# Altium PCB uz_per_wolfspeed_25kw_FM3.PcbDoc (part 1 of 2) (continued)
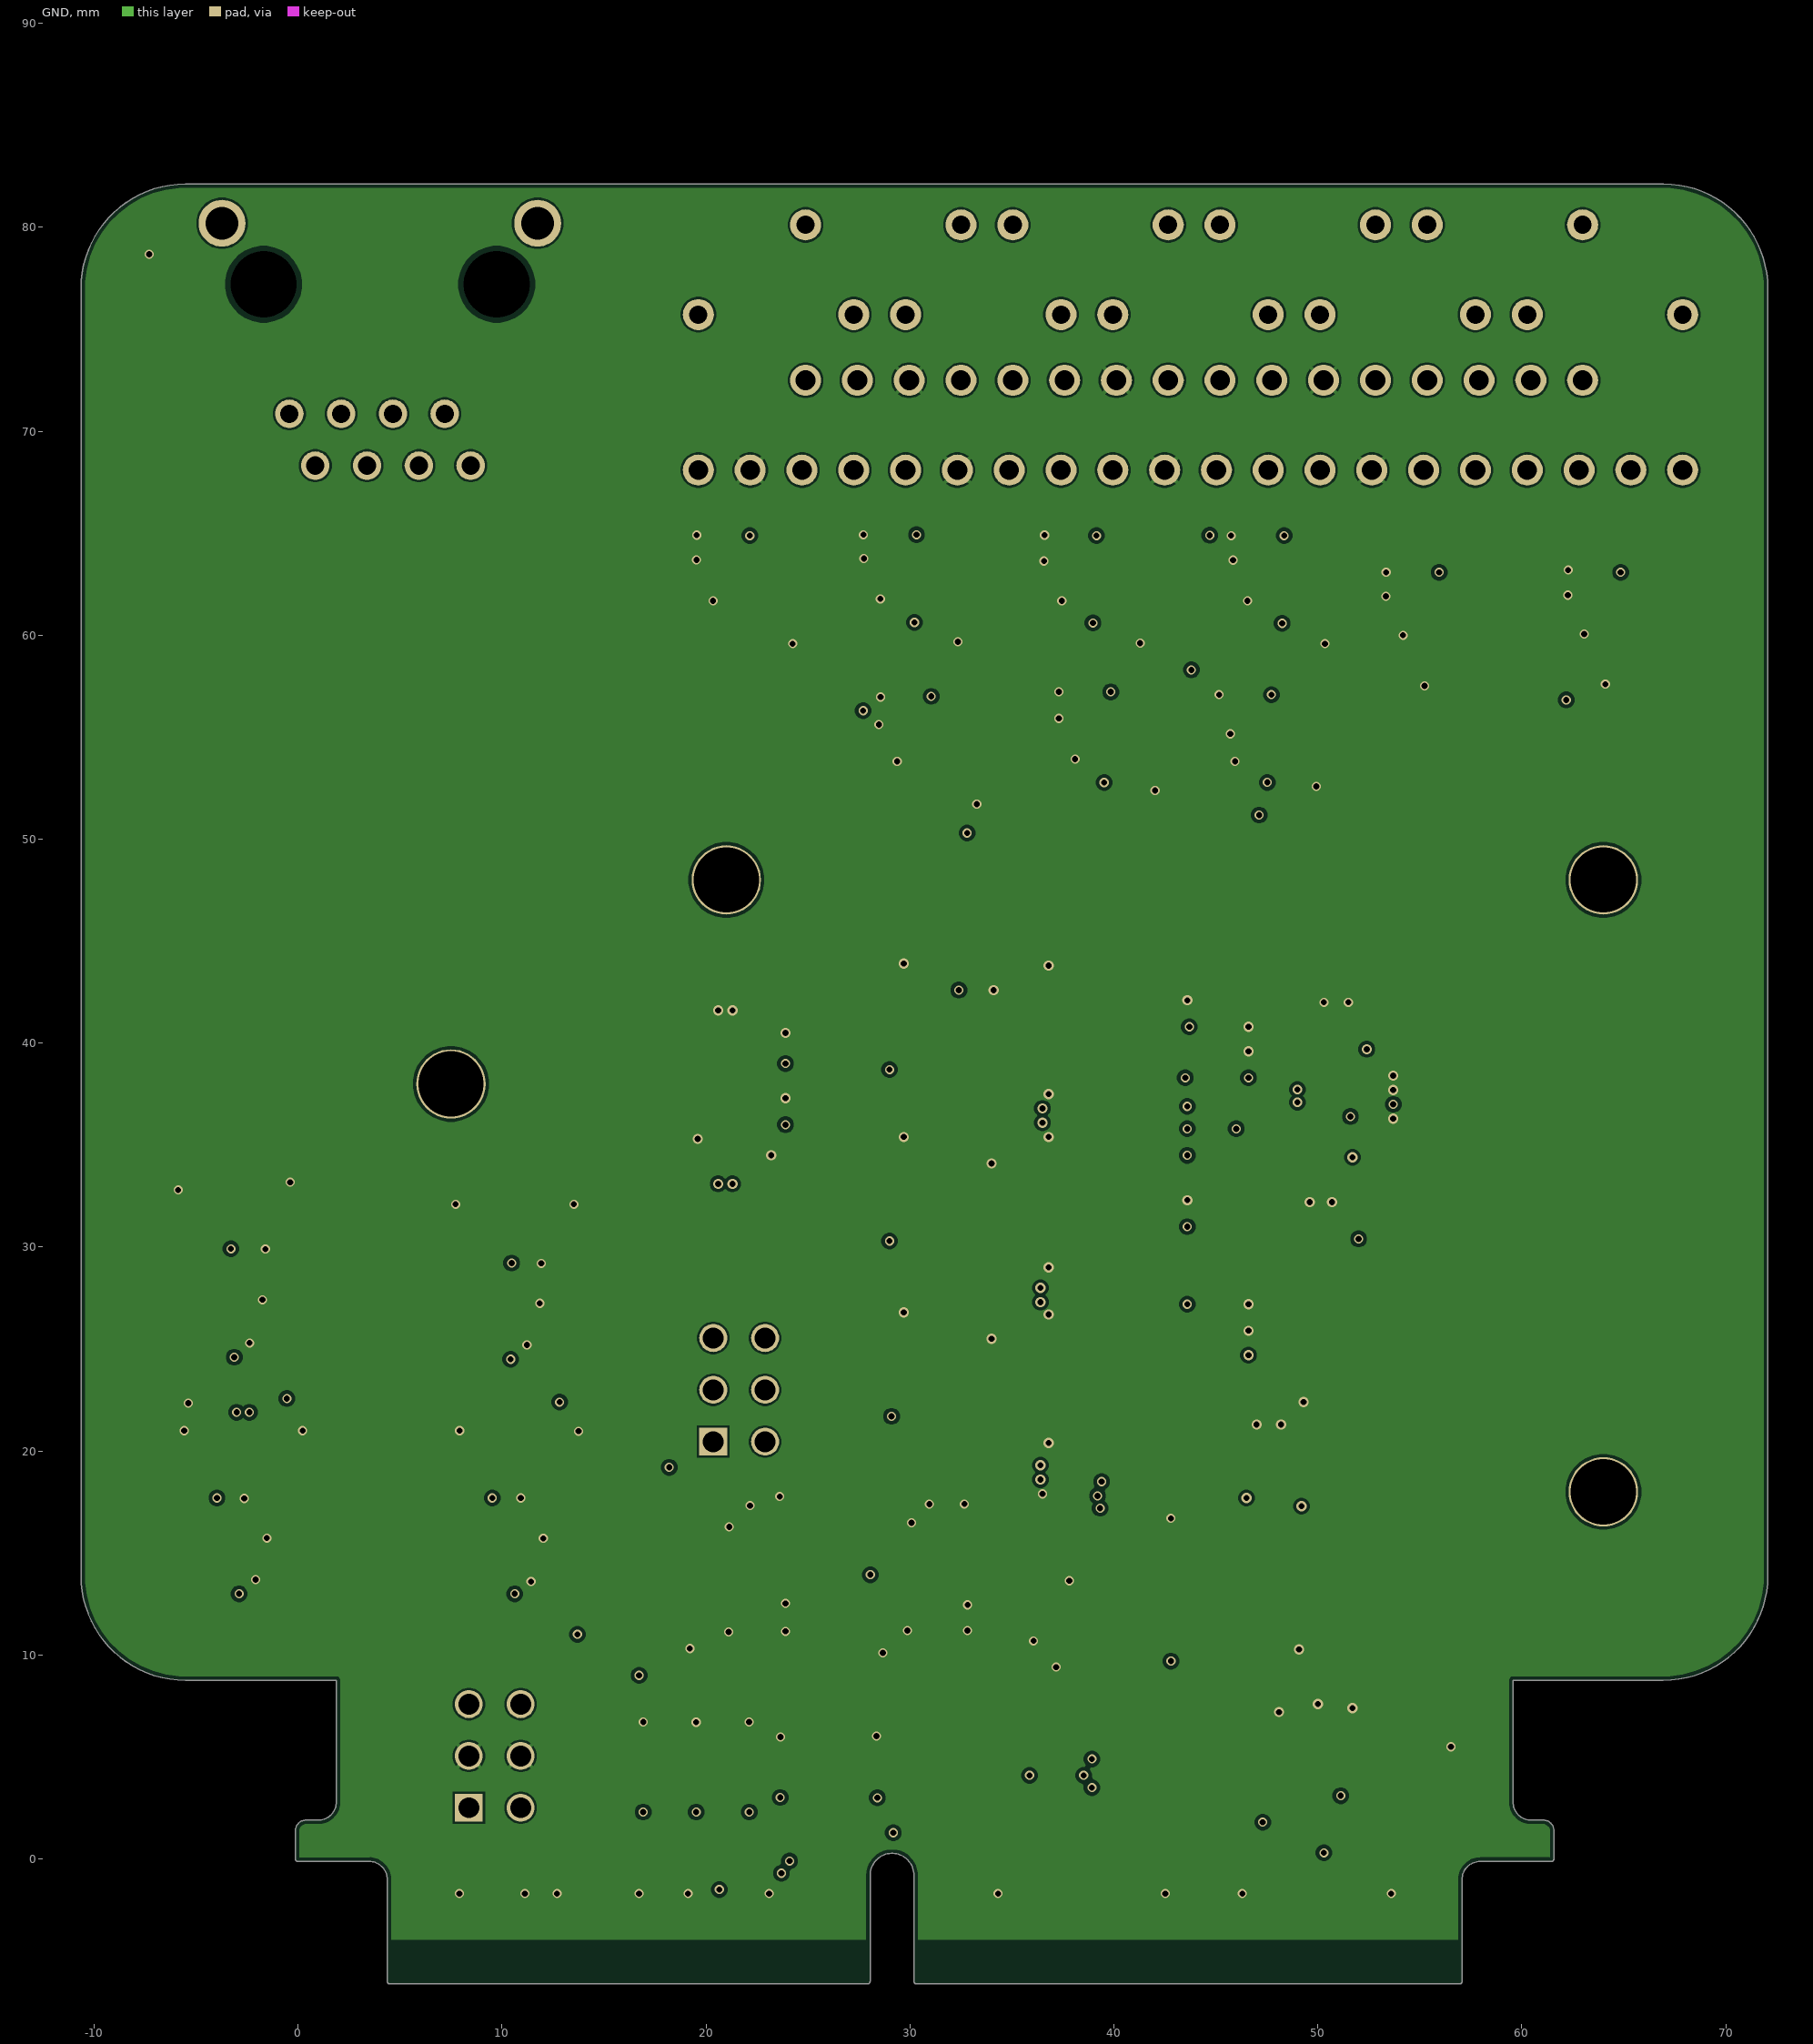
[diagram p3: GND]
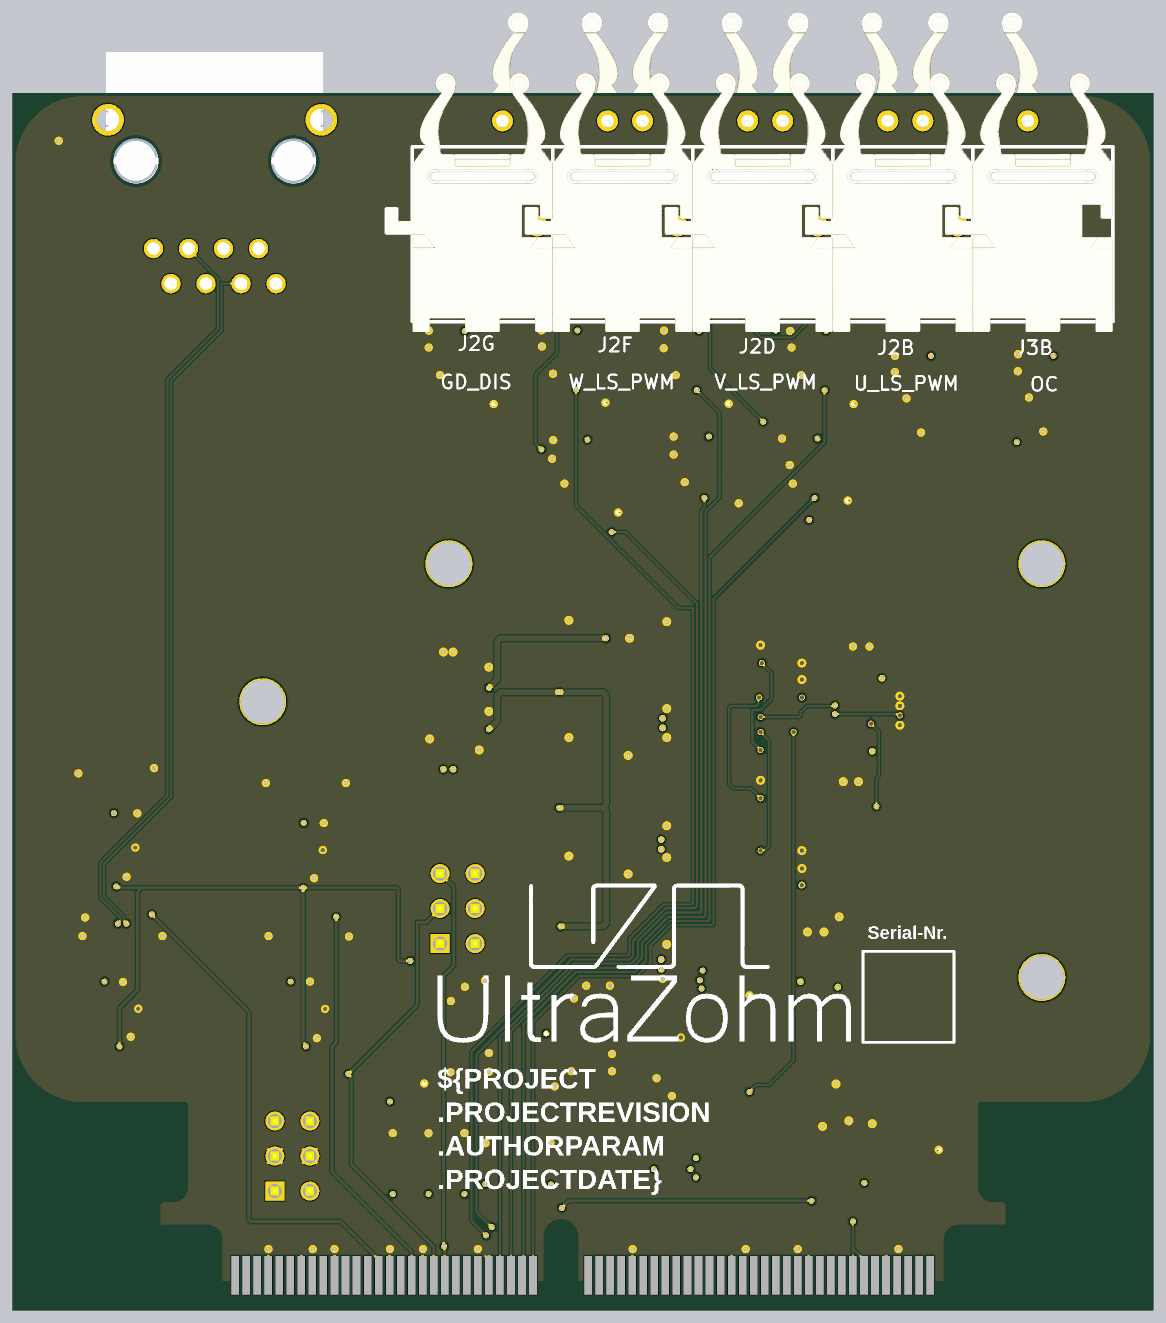
[diagram p5: 3D render of the assembled board from above, using the file's embedded part models]
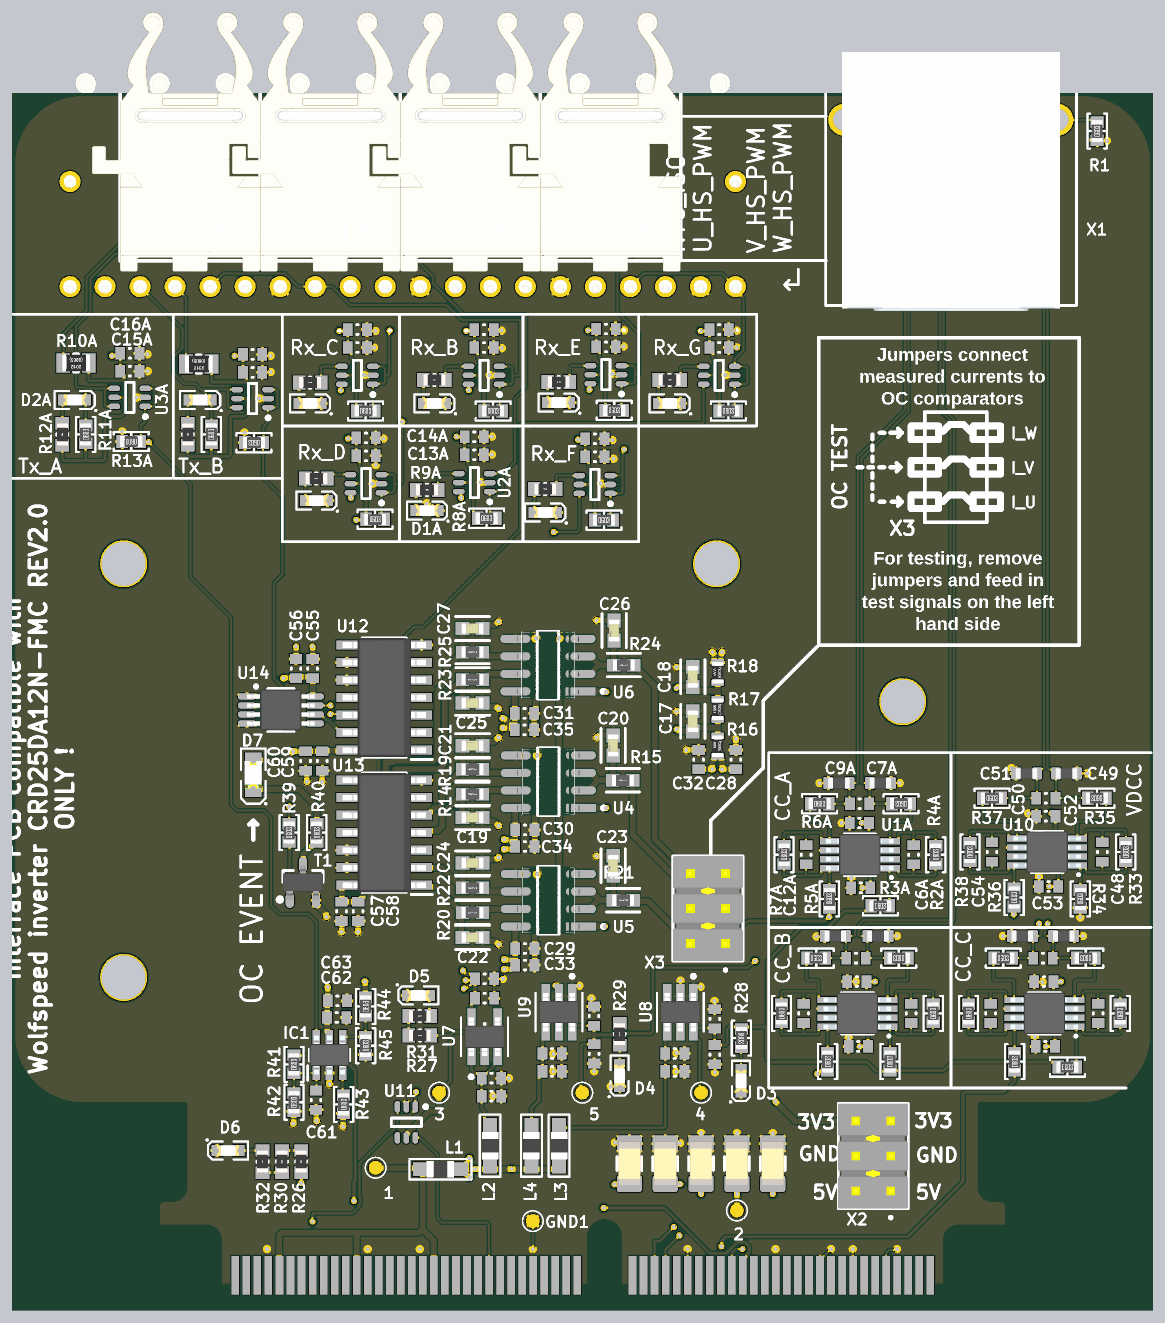
[diagram p6: 3D render of the assembled board from below, using the file's embedded part models]

## Layer stack, top to bottom
Top Solder: solder mask 0.0102, Solder Resist, Dk 3.5
Top Layer: signal copper 0.0356
Dielectric 2: prepreg 0.0711, PP-006, Dk 4.1
VCC: signal copper 0.035
Dielectric 1: dielectric 0.32, FR-4, Dk 4.8
GND: signal copper 0.035
Dielectric 3: prepreg 0.0711, PP-006, Dk 4.1
Bottom Layer: signal copper 0.0356
Bottom Solder: solder mask 0.0102, Solder Resist, Dk 3.5

## Board outline
0,-0.125 3.5,-0.125 cw(c3.5,-1) 4.375,-1 4.375,-6 ccw(c4.5,-6) 4.5,-6.126 27.925,-6.126 ccw(c27.925,-6) 28.05,-6 28.05,-0.8 cw(c29.125,-0.8) 30.2,-0.8 30.2,-6 ccw(c30.325,-6) 30.325,-6.126 56.95,-6.126 ccw(c56.95,-6) 57.075,-6 57.075,-1 cw(c57.95,-1) 57.95,-0.125 61.45,-0.125 ccw(c61.45,0) 61.575,0 61.575,1.38 61.575,1.381 ccw(c61.05,1.38) 61.051,1.905 61.05,1.905 60.45,1.905 cw(c60.45,2.78) 59.575,2.78 59.575,8.759 66.938,8.759 ccw(c66.938,13.884) 72.063,13.884 72.063,77 72.063,77.001 ccw(c66.94,77) 66.958,82.124 66.938,82.125 -5.512,82.125 -5.513,82.125 ccw(c-5.512,77) -10.637,77.001 -10.637,77 -10.637,13.884 ccw(c-5.512,13.884) -5.512,8.759 1.875,8.759 1.875,2.78 cw(c1,2.78) 1,1.905 0.4,1.905 0.399,1.905 ccw(c0.4,1.38) -0.125,1.381 -0.125,1.38 -0.125,0 ccw(c0,0)

## Design rules (kind name [scope] priority, off if disabled: settings)
BoardOutlineClearance [All] p1: gap=0.2 ignorepadtopadclearanceinfootprint=FALSE
Clearance [All] p1: gap=0.102 ignorepadtopadclearanceinfootprint=FALSE except(0.127: Arc-Via Track-Via SMDPad-Via THPad-Via Via-Via Via-Fill Via-Poly Via-Region Via-Text; 0.2: Poly-Poly; 0.25: Arc-Hole Track-Hole SMDPad-Hole THPad-Hole Via-Hole Fill-Hole Poly-Hole Region-Hole Text-Hole)
ComponentClearance [All] p1: gap=0.102 collisioncheckmode=3 verticalgap=0.102 showdistances=TRUE
DiffPairsRouting [All] p1: maxlimit=0.102 minlimit=0.102 mostfreqgap=0.102 toplayer_minwidth=0.102 toplayer_maxwidth=1816.048 toplayer_prefwidth=0.102 midlayer1_minwidth=0.102 midlayer1_maxwidth=1816.048 midlayer1_prefwidth=0.102 midlayer2_minwidth=0.102 midlayer2_maxwidth=1816.048 midlayer2_prefwidth=0.102 bottomlayer_minwidth=0.102 bottomlayer_maxwidth=1816.048 bottomlayer_prefwidth=0.102 maxuncoupledlength=12.7
Height [All] p1: minheight=0 maxheight=1816.048 prefheight=12.7
HoleSize [All] p1: absolutevalues=TRUE maxlimit=6.3 minlimit=0.2 maxpercent=80.000 minpercent=20.000
HoleToHoleClearance [All] p1: gap=0.25 allowstackedmicrovias=FALSE
MinimumAnnularRing [All] p1: minimumring=0.074
MinimumSolderMaskSliver [All] p1: minsoldermaskwidth=0
PlaneClearance [All] p1: clearance=0.102
PlaneConnect PlaneConnectPowerPads [InPadClass('PowerPads')] p1: planeconnectstyle=Direct reliefexpansion=0.508 reliefentries=4 reliefconductorwidth=0.254 reliefairgap=0.254
PlaneConnect [All] p2: pad.planeconnectstyle=Relief pad.reliefexpansion=0.3 pad.reliefentries=4 pad.reliefconductorwidth=0.2 pad.reliefairgap=0.102 via.planeconnectstyle=Direct via.reliefexpansion=0.3 via.reliefentries=4 via.reliefconductorwidth=0.127 via.reliefairgap=0.127
PolygonConnect PolygonConnectPowerPads [All vs (InPadClass('PowerPads'))] p1: connectstyle=Direct reliefconductorwidth=0.254 reliefentries=4 polygonreliefangle="90 Angle" airgapwidth=0.254
PolygonConnect [All] p2: thpad.connectstyle=Relief thpad.reliefconductorwidth=0.2 thpad.reliefentries=4 thpad.polygonreliefangle="90 Angle" thpad.airgapwidth=0.102 thpad.conductorbypadedge=TRUE thpad.mindistance=0.381 thpad.enablemindistance=FALSE smdpad.connectstyle=Relief smdpad.reliefconductorwidth=0.2 smdpad.reliefentries=4 smdpad.polygonreliefangle="90 Angle" smdpad.airgapwidth=0.102 smdpad.conductorbypadedge=TRUE smdpad.mindistance=0.381 smdpad.enablemindistance=FALSE via.connectstyle=Direct via.reliefconductorwidth=0.127 via.reliefentries=4 via.polygonreliefangle="90 Angle" via.airgapwidth=0.127
RoomDefinition R5 [InComponentClass('R5')] p1 off: confinementstyle=ConfineIn formatcopy=TRUE lockcomponents=FALSE outline 35.023,58.229 26.523,58.229 26.523,65.829 35.023,65.829
RoomDefinition R1 [InComponentClass('R1')] p2 off: confinementstyle=ConfineIn formatcopy=TRUE lockcomponents=FALSE outline 44.573,50.404 36.073,50.404 36.073,58.004 44.573,58.004
RoomDefinition R3 [InComponentClass('R3')] p3 off: confinementstyle=ConfineIn formatcopy=TRUE lockcomponents=FALSE outline 53.05,58.183 44.55,58.183 44.55,65.783 53.05,65.783
RoomDefinition T1 [InComponentClass('T1')] p4 off: confinementstyle=ConfineIn formatcopy=TRUE lockcomponents=FALSE outline 61.574,55.814 69.31,55.814 69.31,65.194 61.574,65.194
RoomDefinition R6 [InComponentClass('R6')] p5 off: confinementstyle=ConfineIn formatcopy=TRUE lockcomponents=FALSE outline 35.303,50.265 27.125,50.265 27.125,57.815 35.303,57.815
RoomDefinition R7 [InComponentClass('R7')] p6 off: confinementstyle=ConfineIn formatcopy=TRUE lockcomponents=FALSE outline 26.288,58.183 18.11,58.183 18.11,65.733 26.288,65.733
RoomDefinition R2 [InComponentClass('R2')] p7 off: confinementstyle=ConfineIn formatcopy=TRUE lockcomponents=FALSE outline 43.342,58.183 35.164,58.183 35.164,65.733 43.342,65.733
RoomDefinition R4 [InComponentClass('R4')] p8 off: confinementstyle=ConfineIn formatcopy=TRUE lockcomponents=FALSE outline 51.903,50.329 43.725,50.329 43.725,57.879 51.903,57.879
RoomDefinition T2 [InComponentClass('T2')] p9 off: confinementstyle=ConfineIn formatcopy=TRUE lockcomponents=FALSE outline 61,55.683 52.814,55.683 52.814,65.183 61,65.183
RoomDefinition OA_CC3 [InComponentClass('OA_CC3')] p10: confinementstyle=ConfineIn formatcopy=TRUE lockcomponents=FALSE outline 3.628,10.4 -9.272,10.4 -9.272,22.1 3.628,22.1
RoomDefinition OA_CC1 [InComponentClass('OA_CC1')] p11: confinementstyle=ConfineIn formatcopy=TRUE lockcomponents=FALSE outline 17.01,21.9 4.11,21.9 4.11,33.6 17.01,33.6
RoomDefinition OA_CC2 [InComponentClass('OA_CC2')] p12: confinementstyle=ConfineIn formatcopy=TRUE lockcomponents=FALSE outline 17.191,10.4 4.291,10.4 4.291,22.1 17.191,22.1
RoutingVias [All] p1: holewidth=0.3 width=0.45 viastyle="Through Hole" minholewidth=0.2 minwidth=0.45 maxholewidth=6.3 maxwidth=6.55
SilkToSilkClearance [All] p1: silktosilkclearance=0
SilkToSolderMaskClearance [IsPad] p1: minsilkscreentomaskgap=0.102 clearancetoexposedcopper=TRUE
SolderMaskExpansion [All] p1: expansion=0.075 istentingtop=FALSE
SupplyNets "Schematic Supply Nets_4" [InNet('VOCM2.5V')] p1: voltage=0.000
SupplyNets "Schematic Supply Nets_3" [InNet('Bias1.7V')] p2: voltage=0.000
SupplyNets "Schematic Supply Nets_2" [InNet('VCC3.3V')] p3: voltage=0.000
SupplyNets "Schematic Supply Nets_1" [InNet('GND')] p4: voltage=0.000
SupplyNets "Schematic Supply Nets" [InNet('5V')] p5: voltage=0.000
Width [All] p1: maxlimit=10 minlimit=0.102 preferedwidth=0.15
20 further rules are at their usual default settings.

## Classes and differential pairs
component class Gate_and_Fan_Control: U11
component class Comparators: C17 C18 C19 C20 C21 C22 C23 C24 C25 C26 C27 C28 C29 C30 C31 C32 C33 C34 C35 R14 R15 R16 R17 R18 R19 R20 R21 R22 R23 R24 R25 U4 U5 U6 X3
component class "AND OC signals, latch, reset": C55 C56 C57 C58 C59 C60 D7 R39 R40 T1 U12 U13 U14
component class Analog_to_PWM: C61 C62 C63 IC1 R41 R42 R43 R44 R45
component class TopSheet: INFO1 LOGO1 R1 Serial1 X1
channel class Transmitters: T1 T2
channel class Receivers: R1 R2 R3 R4 R5 R6 R7
channel class CurrentConditioning: OA_CC1 OA_CC2 OA_CC3
component class T2: C15B C16B D2B J3B R10B R11B R12B R13B U3B
component class T1: C15A C16A D2A J3A R10A R11A R12A R13A U3A
component class Samtec_HSEC8: 1 2 C1 C2 C3 C4 C5 GND1 J1 L1 X2
component class R7: C13G C14G D1G J2G R8G R9G U2G
component class R6: C13F C14F D1F J2F R8F R9F U2F
component class R5: av C13E C14E D1E J2E R8E R9E U2E
component class R4: C13D C14D D1D J2D R8D R9D U2D
component class R3: C13C C14C D1C J2C R8C R9C U2C
component class R2: C13B C14B D1B J2B R8B R9B U2B
component class R1: C13A C14A D1A J2A R8A R9A U2A
component class OA_DCV: C48 C49 C50 C51 C52 C53 C54 R33 R34 R35 R36 R37 R38 U10
component class OA_CC3: C6C C7C C8C C9C C10C C11C C12C R2C R3C R4C R5C R6C R7C U1C
component class OA_CC2: C6B C7B C8B C9B C10B C11B C12B R2B R3B R4B R5B R6B R7B U1B
component class OA_CC1: C6A C7A C8A C9A C10A C11A C12A R2A R3A R4A R5A R6A R7A U1A
component class Designator: 3 4 5 C36 C37 C38 C39 C40 C41 C42 C43 C44 C45 C46 C47 D3 D4 D5 D6 L2 L3 L4 R26 R27 R28 R29 R30 R31 R32 U7 U8 U9
differential pair AnSigC: +AnSigC_P -AnSigC_N
differential pair AnSigB: +AnSigB_P -AnSigB_N
differential pair AnSigA: +AnSigA_P -AnSigA_N
differential pair AnSig4: +AnSig4_P -AnSig4_N

## Components (designator, comment, footprint, x,y, rotation, side; value= is the part's Value field where it differs from the comment)
1 "Testpoint 1mm" TP_1mm 45.725,4.2 r90 bottom
2 "Testpoint 1mm" TP_1mm 19.525,1.1 r180 bottom
3 "Testpoint 1mm" TP_1mm 41.125,9.643 r270 bottom
4 "Testpoint 1mm" TP_1mm 22.125,9.643 r0 bottom
5 "Testpoint 1mm" TP_1mm 30.739,9.643 r180 bottom
C1 "10 uF" C_1206 24.725,4.5 r270 bottom
C2 "10 uF" C_1206 22.125,4.5 r270 bottom
C3 "10 uF" C_1206 16.925,4.5 r270 bottom
C4 "10 uF" C_1206 27.325,4.5 r270 bottom
C5 "10 uF" C_1206 19.525,4.5 r270 bottom
C6A "56 pF" C_0603 6.71,26.9 r90 bottom (schematic designator C6)
C6B "56 pF" C_0603 6.891,15.4 r90 bottom (schematic designator C6)
C6C "56 pF" C_0603 -6.672,15.4 r90 bottom (schematic designator C6)
C7A "100 pF" C_0603_TE 9.125,32.1 r270 bottom (schematic designator C7)
C7B "100 pF" C_0603_TE 9.291,21 r270 bottom (schematic designator C7)
C7C "100 pF" C_0603_TE -4.175,21 r270 bottom (schematic designator C7)
C8A "2.2 nF" C_0603 10.625,30.6 r0 bottom (schematic designator C8)
C8B "2.2 nF" C_0603 10.891,19.4 r0 bottom (schematic designator C8)
C8C "2.2 nF" C_0603 -2.672,19.4 r0 bottom (schematic designator C8)
C9A "100 pF" C_0603_TE 12.125,32.1 r270 bottom (schematic designator C9)
C9B "100 pF" C_0603_TE 12.391,21 r270 bottom (schematic designator C9)
C9C "100 pF" C_0603_TE -1.172,21 r270 bottom (schematic designator C9)
C10A "100 nF" C_0603 10.644,29.2 r0 bottom (schematic designator C10)
C10B "100 nF" C_0603 10.825,17.7 r0 bottom (schematic designator C10)
C10C "100 nF" C_0603 -2.737,17.7 r0 bottom (schematic designator C10)
C11A "100 nF" C_0603 10.544,24.5 r0 bottom (schematic designator C11)
C11B "100 nF" C_0603 10.725,13 r0 bottom (schematic designator C11)
C11C "100 nF" C_0603 -2.837,13 r0 bottom (schematic designator C11)
C12A "56 pF" C_0603 14.51,26.9 r90 bottom (schematic designator C12)
C12B "56 pF" C_0603 14.691,15.4 r90 bottom (schematic designator C12)
C12C "56 pF" C_0603 1.128,15.4 r90 bottom (schematic designator C12)
C13A "100 nF" C_0603 38.573,55.904 r180 bottom (schematic designator C13)
C13B "100 nF" C_0603 37.864,63.683 r180 bottom (schematic designator C13)
C13C "100 nF" C_0603 47.05,63.683 r180 bottom (schematic designator C13)
C13D "100 nF" C_0603 46.425,55.829 r180 bottom (schematic designator C13)
C13E "100 nF" C_0603 29.023,63.729 r180 bottom (schematic designator C13)
C13F "100 nF" C_0603 29.825,55.765 r180 bottom (schematic designator C13)
C13G "100 nF" C_0603 20.81,63.683 r180 bottom (schematic designator C13)
C14A "1 µF" C_0603 38.573,57.204 r180 bottom (schematic designator C14)
C14B "1 µF" C_0603 37.864,64.983 r180 bottom (schematic designator C14)
C14C "1 µF" C_0603 47.05,64.983 r180 bottom (schematic designator C14)
C14D "1 µF" C_0603 46.425,57.129 r180 bottom (schematic designator C14)
C14E "1 µF" C_0603 29.023,65.029 r180 bottom (schematic designator C14)
C14F "1 µF" C_0603 29.825,57.065 r180 bottom (schematic designator C14)
C14G "1 µF" C_0603 20.81,64.983 r180 bottom (schematic designator C14)
C15A "100 nF" C_0603 63.55,61.966 r180 bottom (schematic designator C15)
C15B "100 nF" C_0603 54.65,61.883 r180 bottom (schematic designator C15)
C16A "1 µF" C_0603 63.55,63.266 r180 bottom (schematic designator C16)
C16B "1 µF" C_0603 54.65,63.183 r180 bottom (schematic designator C16)
C17 "C0603C104K3RACTU" FP-C0603C-CF-IPC_B 22.721,36.577 r90 bottom value=0.10μF
C18 "C0603C104K3RACTU" FP-C0603C-CF-IPC_B 22.721,39.803 r90 bottom value=0.10μF
C19 "CL10C560JB8NNNC" FP-C0603C-CF-IPC_B 38.7,29.6 r180 bottom value=56pF
C20 "C0603C472K3RAC7867" FP-C0603C-CF-IPC_B 28.5,34.826 r90 bottom value=4.7nF
C21 "CL10C560JB8NNNC" FP-C0603C-CF-IPC_B 38.7,34.8 r180 bottom value=56pF
C22 "CL10C560JB8NNNC" FP-C0603C-CF-IPC_B 38.7,20.9 r180 bottom value=56pF
C23 "C0603C472K3RAC7867" FP-C0603C-CF-IPC_B 28.5,26.1 r90 bottom value=4.7nF
C24 "CL10C560JB8NNNC" FP-C0603C-CF-IPC_B 38.7,26.3 r180 bottom value=56pF
C25 "CL10C560JB8NNNC" FP-C0603C-CF-IPC_B 38.7,37.9 r180 bottom value=56pF
C26 "C0603C472K3RAC7867" FP-C0603C-CF-IPC_B 28.43,43.156 r90 bottom value=4.7nF
C27 "CL10C560JB8NNNC" FP-C0603C-CF-IPC_B 38.7,43.3 r180 bottom value=56pF
C28 "100 nF" C_0603 19.6,33.8 r90 bottom
C29 "100 nF" C_0603 34.9,20.1 r180 bottom
C30 "100 nF" C_0603 34.9,28.7 r180 bottom
C31 "100 nF" C_0603 34.93,37.156 r180 bottom
C32 "1 µF" C_0603 22.3,33.8 r90 bottom
C33 "1 µF" C_0603 34.9,18.9 r180 bottom
C34 "1 µF" C_0603 34.9,27.5 r180 bottom
C35 "1 µF" C_0603 34.93,35.956 r180 bottom
C36 "1 µF" C_0603 37.325,9.4 r180 bottom
C37 "100 nF" C_0603 37.325,10.7 r180 bottom
C38 "100 nF" C_0603 37.825,16.5 r180 bottom
C39 "1 µF" C_0603 37.825,17.9 r180 bottom
C40 "1 µF" C_0603 24.03,11.186 r180 bottom
C41 "100 nF" C_0603 24.03,12.486 r180 bottom
C42 "100 nF" C_0603 21.125,15 r90 bottom
C43 "1 µF" C_0603 21.125,12.4 r270 bottom
C44 "1 µF" C_0603 32.93,11.186 r180 bottom
C45 "100 nF" C_0603 32.93,12.486 r180 bottom
C46 "100 nF" C_0603 29.892,15.195 r90 bottom
C47 "1 µF" C_0603 29.882,12.461 r270 bottom
C48 "56 pF" C_0603 -6.975,27.1 r90 bottom
C49 "100 pF" C_0603_TE -4.375,32.8 r270 bottom
C50 "2.2 nF" C_0603 -2.875,31 r0 bottom
C51 "100 pF" C_0603_TE -1.475,32.8 r270 bottom
C52 "100 nF" C_0603 -2.875,29.7 r0 bottom
C53 "100 nF" C_0603 -3.075,24.6 r0 bottom
C54 "56 pF" C_0603 1.025,27.1 r90 bottom
C55 "100 nF" C_0603 50.3,40.4 r90 bottom
C56 "1 µF" C_0603 51.5,40.4 r90 bottom
C57 "100 nF" C_0603 48.2,22.8 r270 bottom
C58 "1 µF" C_0603 47,22.8 r270 bottom
C59 "100 nF" C_0603 49.6,33.7 r270 bottom
C60 "1 µF" C_0603 50.8,33.7 r270 bottom
C61 "100 nF" C_0603 50.05,9.1 r270 bottom
C62 "100 nF" C_0603 48.55,15.1 r180 bottom
C63 "1 µF" C_0603 48.5,16.3 r180 bottom
D1A "150060RS75000" WL-SMCW_0603 42,51.858 r0 bottom (schematic designator D1)
D1B "150060RS75000" WL-SMCW_0603 41.464,59.638 r0 bottom (schematic designator D1)
D1C "150060RS75000" WL-SMCW_0603 50.477,59.638 r0 bottom (schematic designator D1)
D1D "150060RS75000" WL-SMCW_0603 50.025,52.583 r0 bottom (schematic designator D1)
D1E "150060RS75000" WL-SMCW_0603 32.45,59.683 r0 bottom (schematic designator D1)
D1F "150060RS75000" WL-SMCW_0603 33.425,51.72 r0 bottom (schematic designator D1)
D1G "150060RS75000" WL-SMCW_0603 24.41,59.638 r0 bottom (schematic designator D1)
D2A "150060GS75000" WL-SMCW_0603 67.55,59.883 r0 bottom (schematic designator D2)
D2B "150060GS75000" WL-SMCW_0603 58.45,59.883 r0 bottom (schematic designator D2)
D3 "150060RS75000" WL-SMCW_0603 19.225,10.507 r90 bottom
D4 "150060RS75000" WL-SMCW_0603 28.03,10.886 r90 bottom
D5 "150060RS75000" WL-SMCW_0603 42.625,16.7 r180 bottom
D6 "150060RS75000" WL-SMCW_0603 56.425,5.45 r180 bottom
D7 "LED Red" LEDM2012X80N 54.6,32.7 r90 bottom
GND1 "Testpoint 1mm" TP_1mm 34.325,0.33 r90 bottom
IC1 "LTC6992CS6-2#TRMPBF" SOT95P280X100-6N 49.075,12.375 r90 bottom
INFO1 "Design Information" Design_info 18.425,2.6 r0 top
J1 "HSEC8-TI-160-01-XX-DV-A-BL-CARD" HSEC8-TI-160-SAMTEC-Connector 29.9,10.2 r0 top
J2A "HFBR-2521Z" HFBRx5XX 52.825,72.5 r0 bottom (schematic designator J2)
J2B "HFBR-2521Z" HFBRx5XX 50.109,68.1 r180 top (schematic designator J2)
J2C "HFBR-2521Z" HFBRx5XX 42.665,72.5 r0 bottom (schematic designator J2)
J2D "HFBR-2521Z" HFBRx5XX 39.949,68.1 r180 top (schematic designator J2)
J2E "HFBR-2521Z" HFBRx5XX 32.505,72.5 r0 bottom (schematic designator J2)
J2F "HFBR-2521Z" HFBRx5XX 29.789,68.1 r180 top (schematic designator J2)
J2G "HFBR-2521Z" HFBRx5XX 19.629,68.1 r180 top (schematic designator J2)
J3A "HFBR-1521Z" HFBRx5XX 62.985,72.5 r0 bottom (schematic designator J3)
J3B "HFBR-1521Z" HFBRx5XX 60.269,68.1 r180 top (schematic designator J3)
L1 "600Ω" "WE-CBF_0805_High Current" 41.025,4.1 r180 bottom
L2 "600Ω" "WE-CBF_0805_High Current" 37.425,5.8 r90 bottom
L3 "600Ω" "WE-CBF_0805_High Current" 32.425,5.8 r90 bottom
L4 "600Ω" "WE-CBF_0805_High Current" 34.425,5.8 r90 bottom
LOGO1 "UZ Logo" UZ_Logo_small 20.225,12.7 r0 top value=Logo
R1 "0R" "RES 0603_1608" -6.6,79.375 r90 bottom
R2A "10k" "RES 0603_1608" 5.11,26.9 r90 bottom (schematic designator R2)
R2B "10k" "RES 0603_1608" 5.291,15.4 r90 bottom (schematic designator R2)
R2C "10k" "RES 0603_1608" -8.272,15.4 r90 bottom (schematic designator R2)
R3A "6k65" "RES 0603_1608" 9.125,23.2 r180 bottom (schematic designator R3)
R3B "6k65" "RES 0603_1608" 8.425,11.9 r90 bottom (schematic designator R3)
R3C "6k65" "RES 0603_1608" -4.437,11.5 r180 bottom (schematic designator R3)
R4A "49R9" "RES 0603_1608" 7.625,30.6 r0 bottom (schematic designator R4)
R4B "49R9" "RES 0603_1608" 7.791,19.4 r0 bottom (schematic designator R4)